# Altium PCB PMSM_Driver.PcbDoc (part 1 of 4)
Units mm, origin at the board's own origin, x right, y up, seen from the top; angles counter-clockwise.
Board outline 270 x 180 mm, 2 copper layers (Top Layer, Bottom Layer), stack 1.371 mm thick; 410 components, 145 nets, 890 pads, 484 vias.
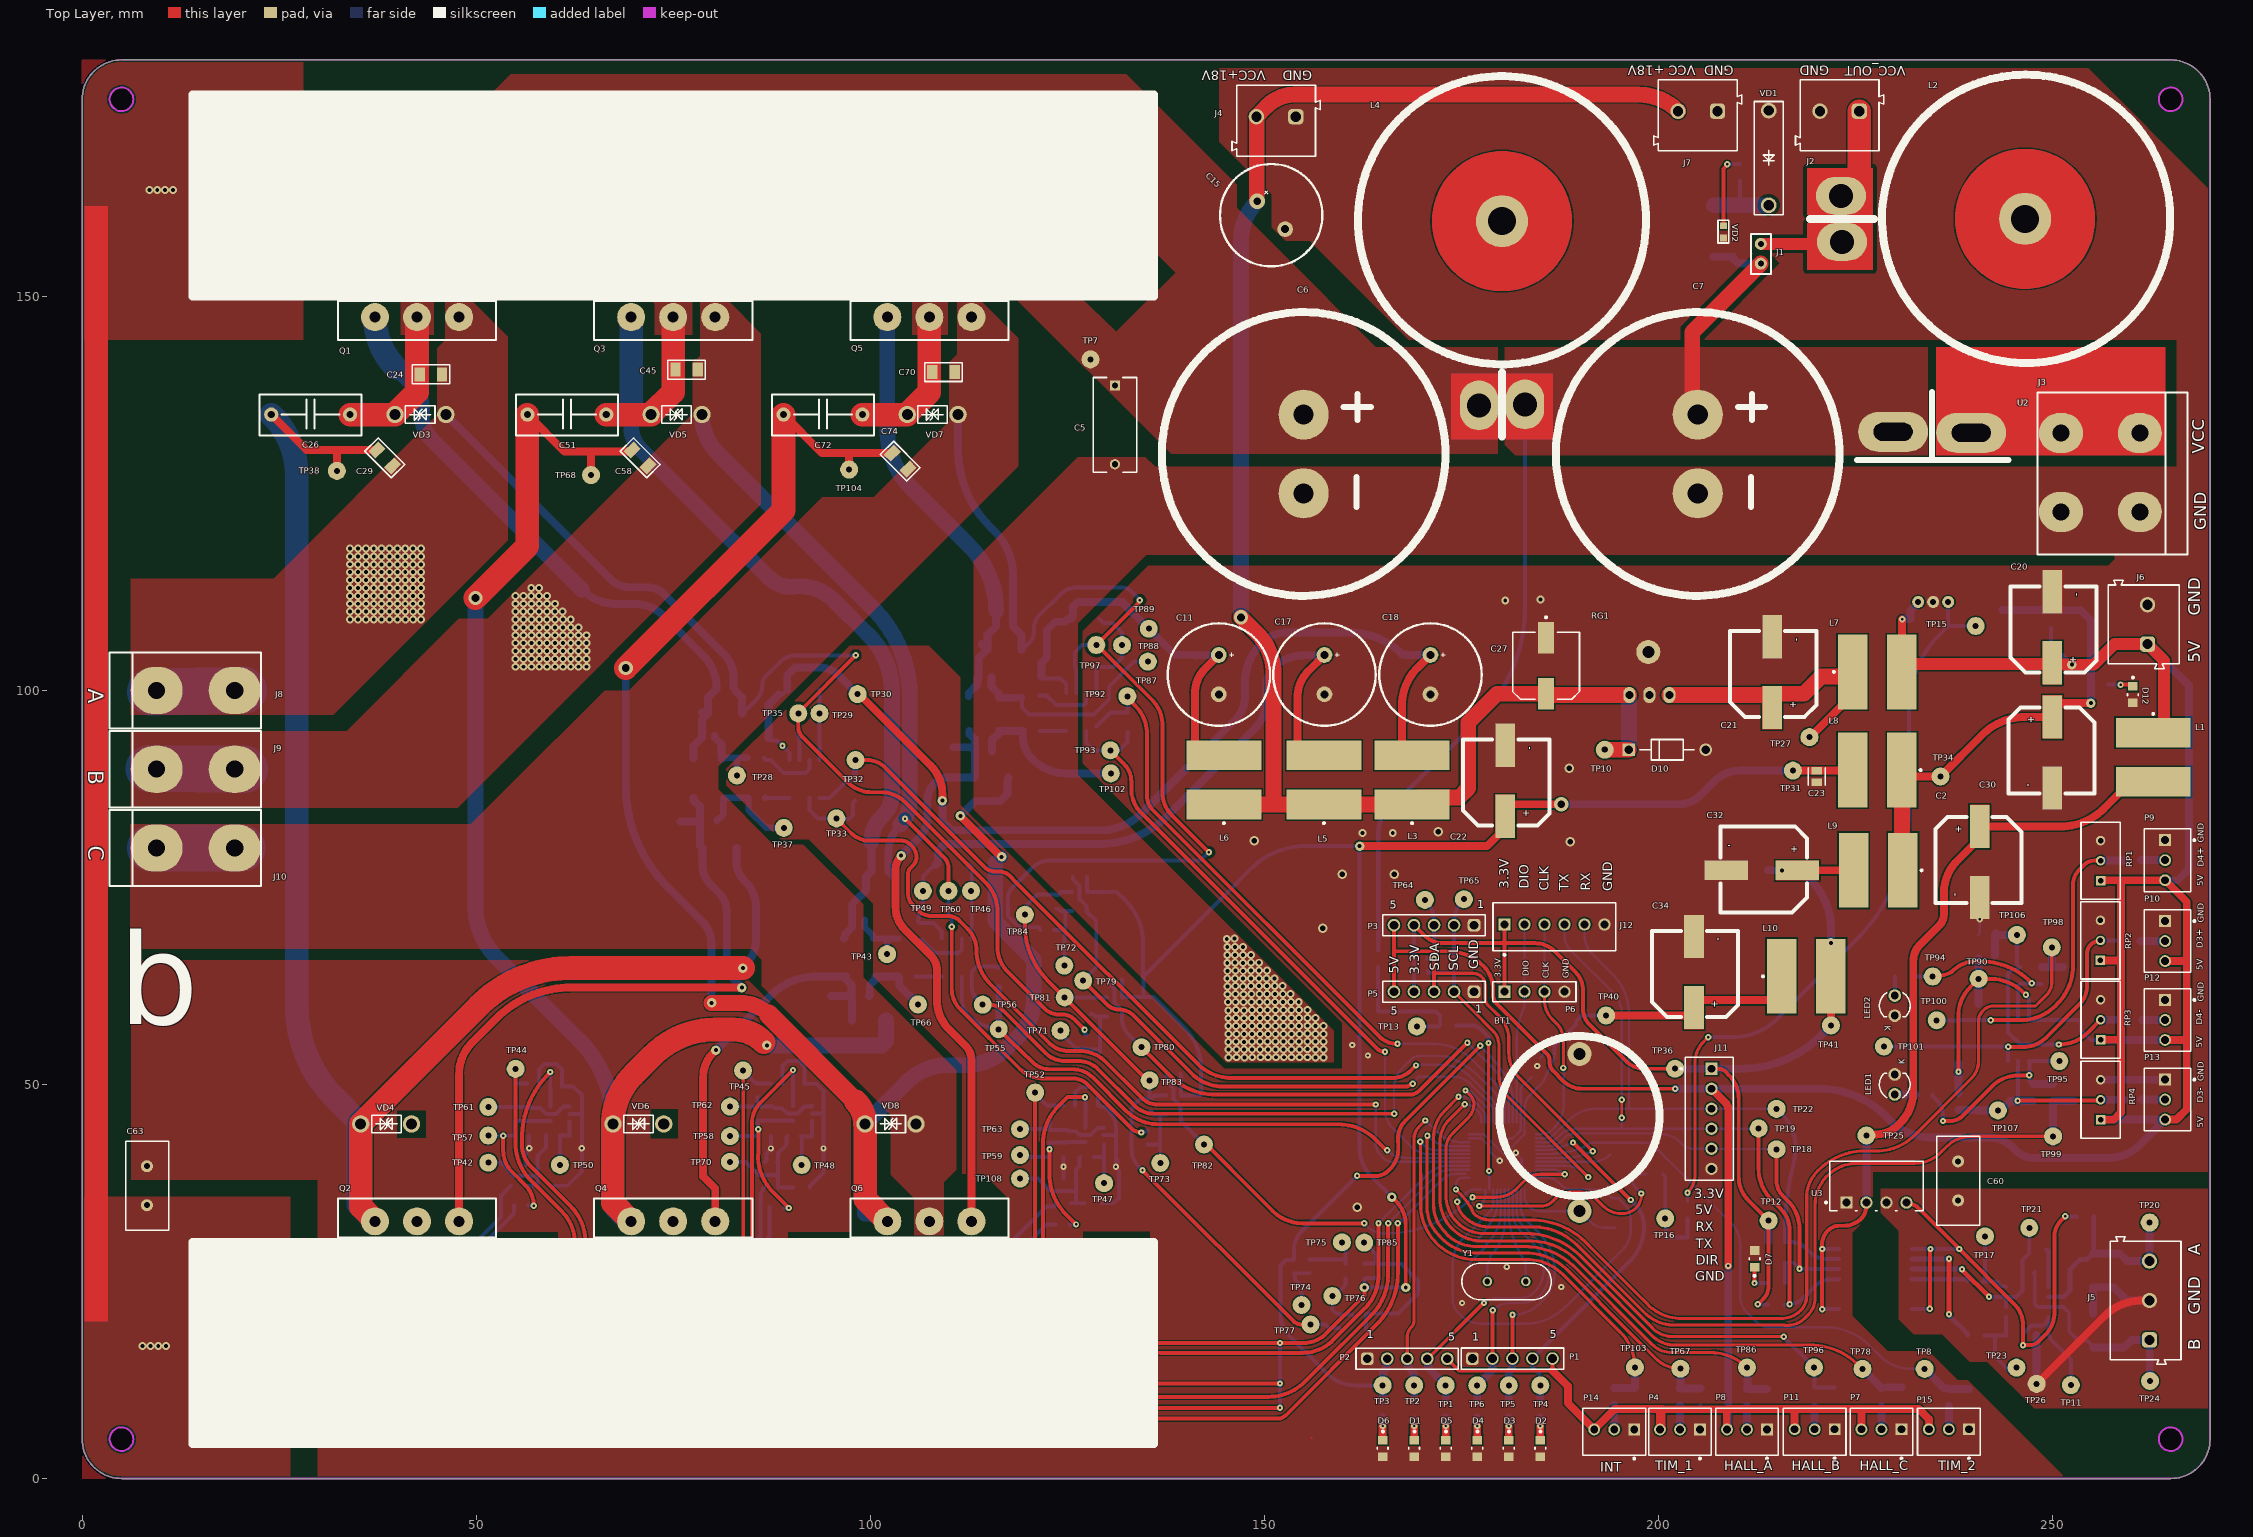
[diagram p0: Top Layer view]
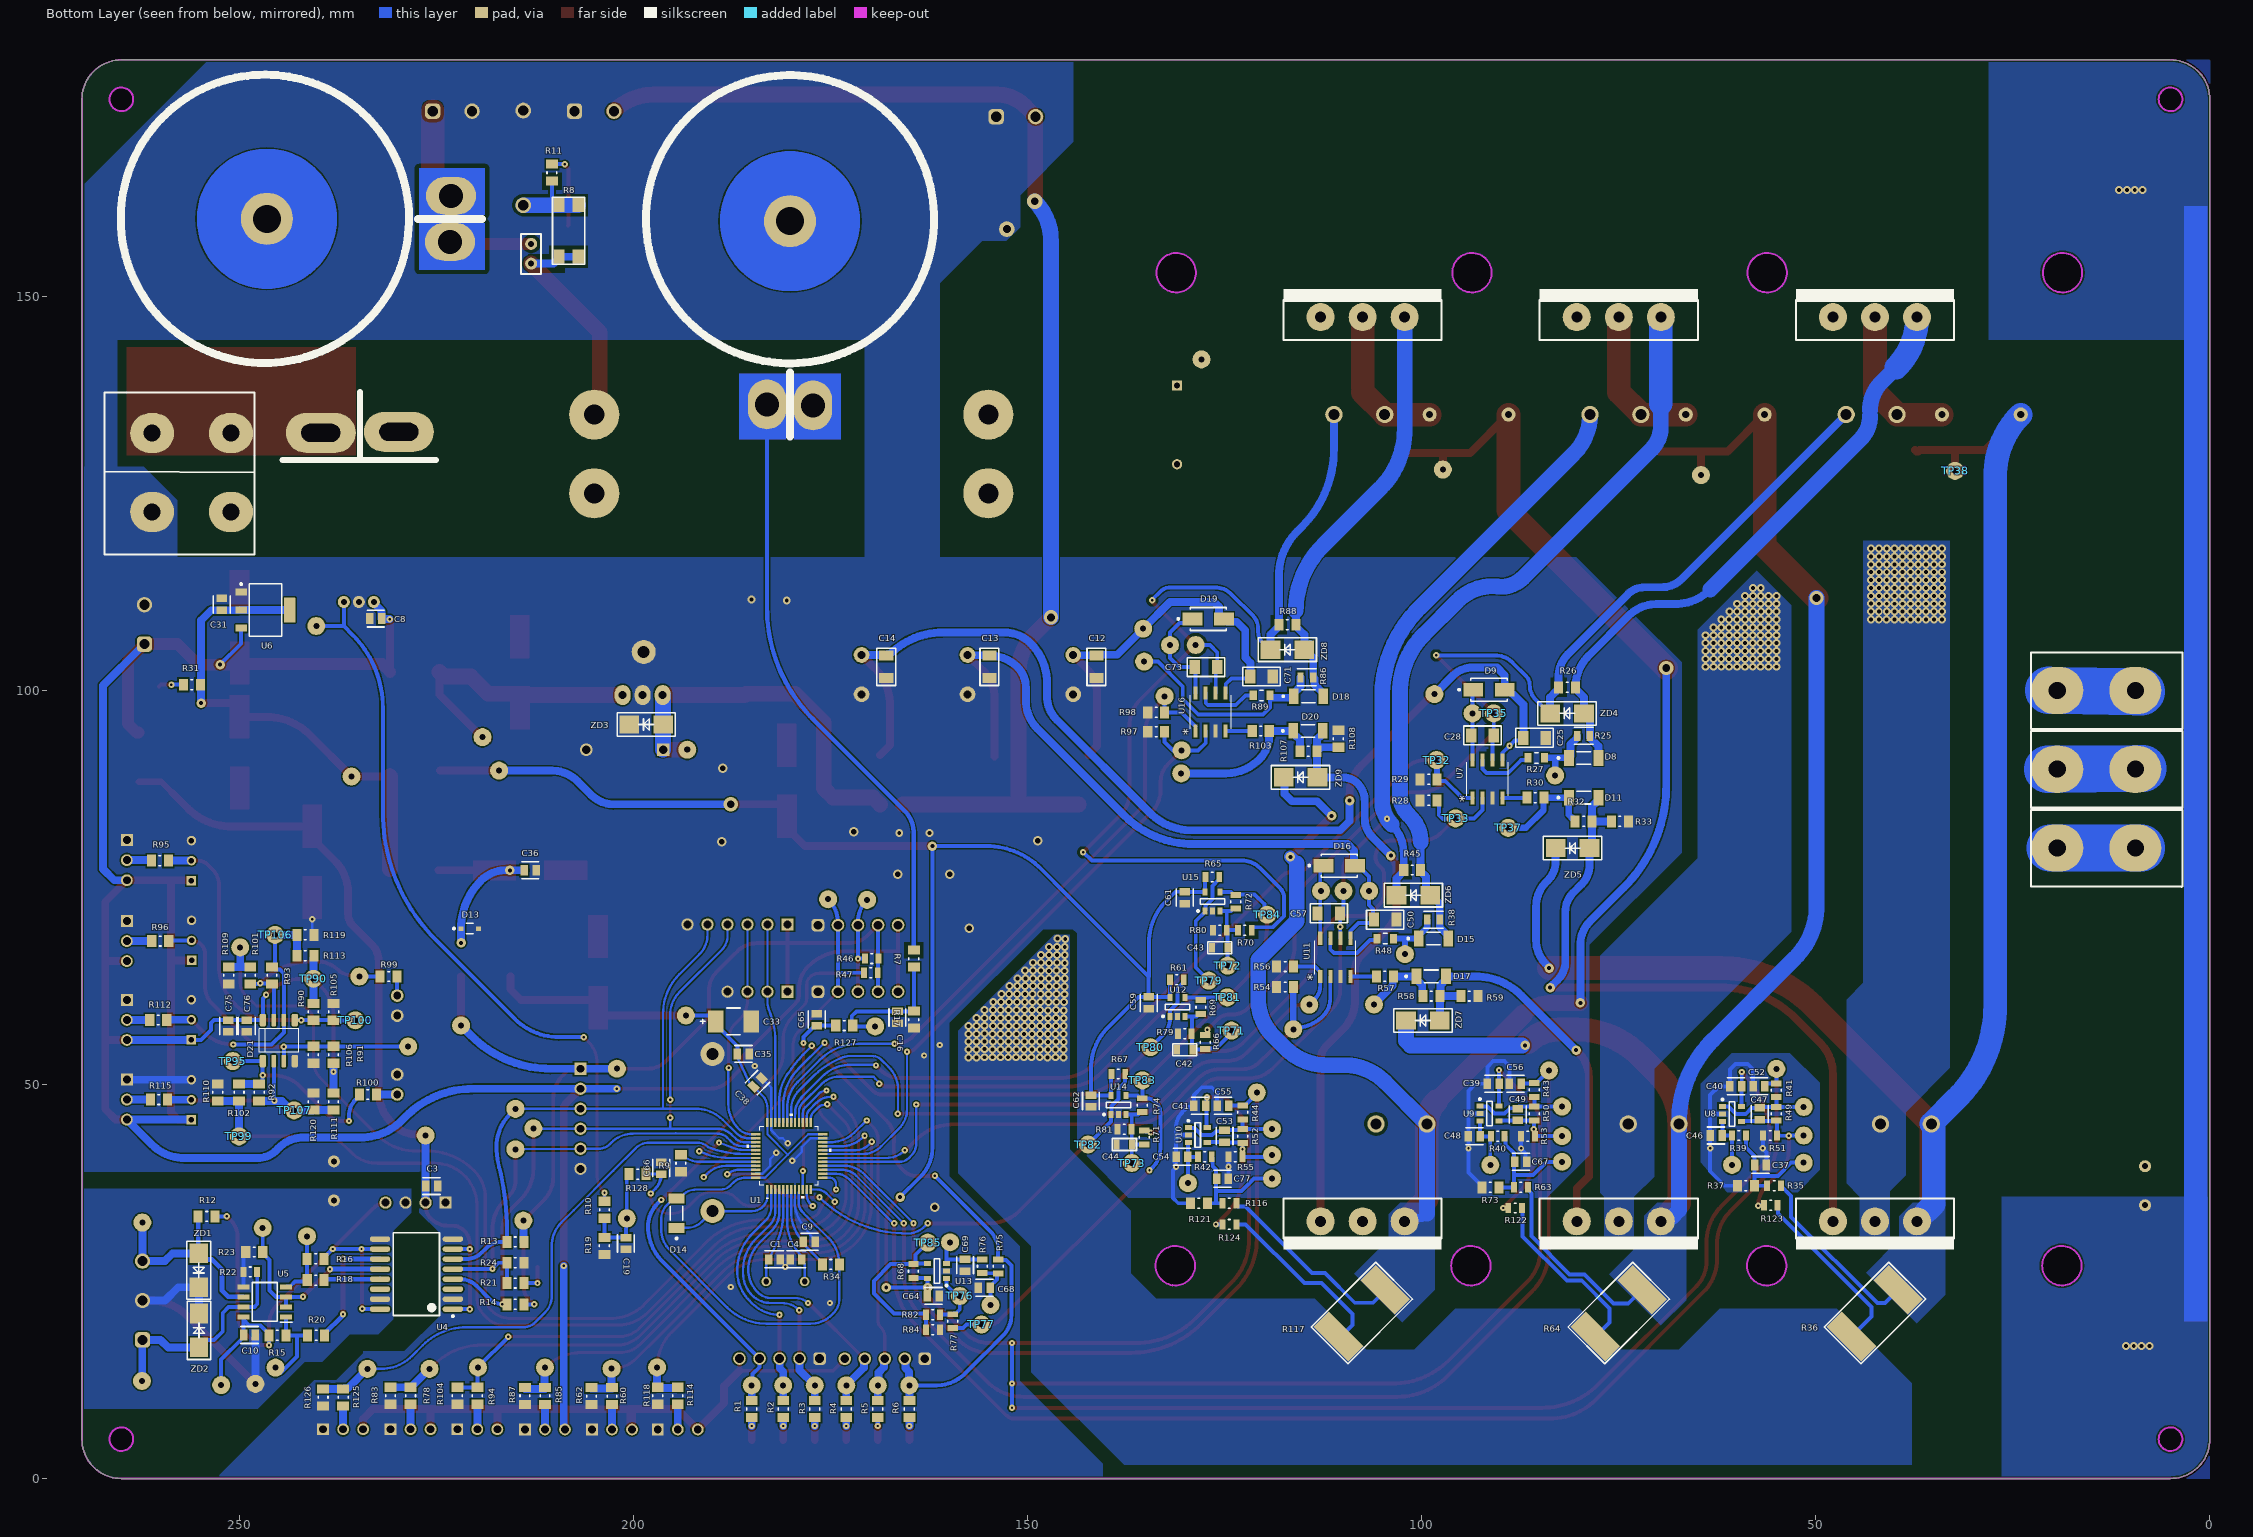
[diagram p1: Bottom Layer view, seen from below]
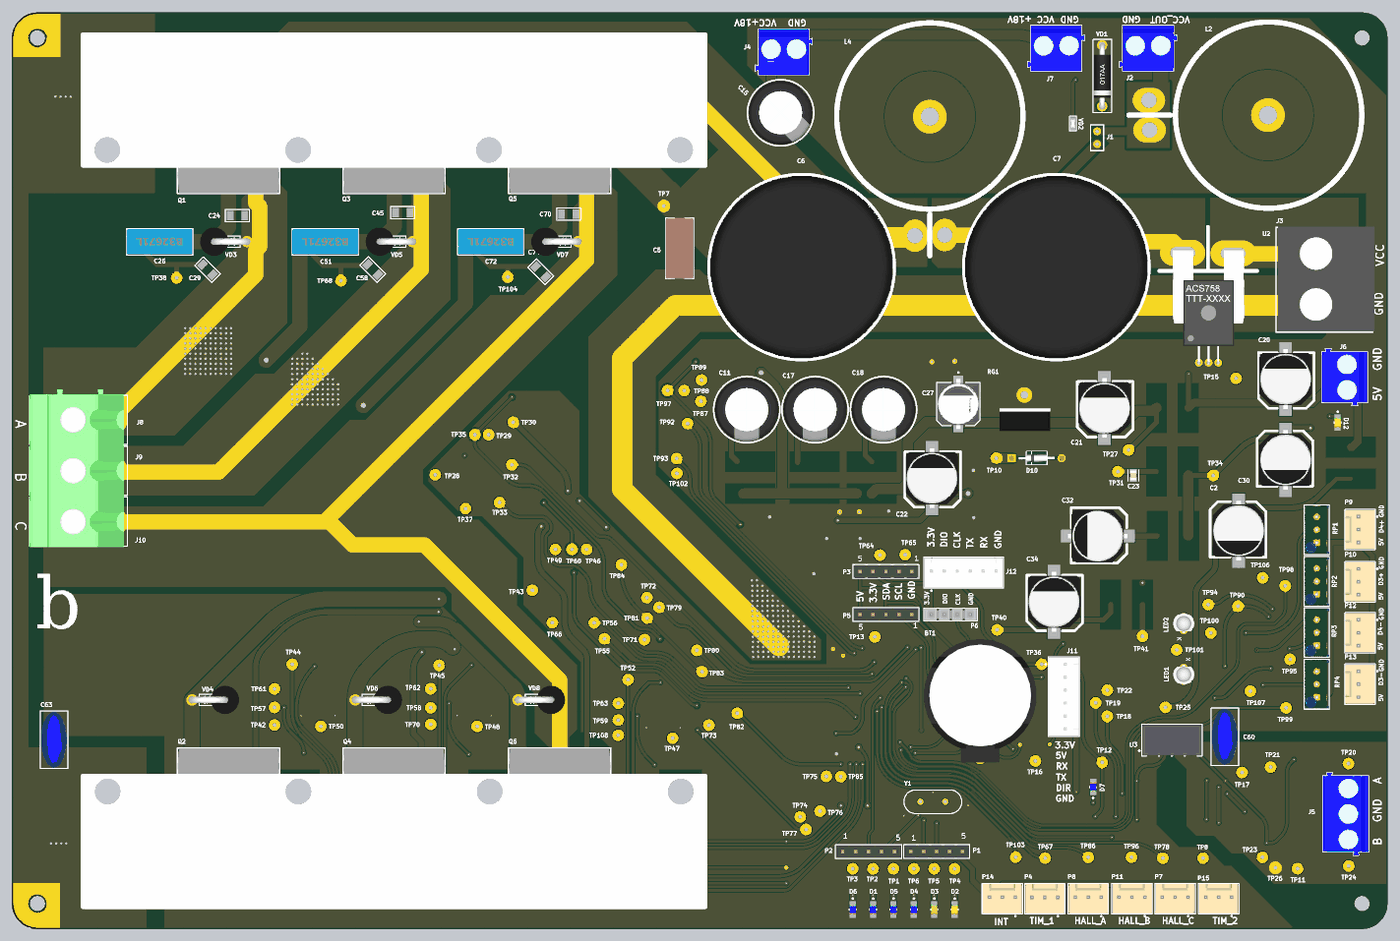
[diagram p5: 3D render of the assembled board from above, using the file's embedded part models]
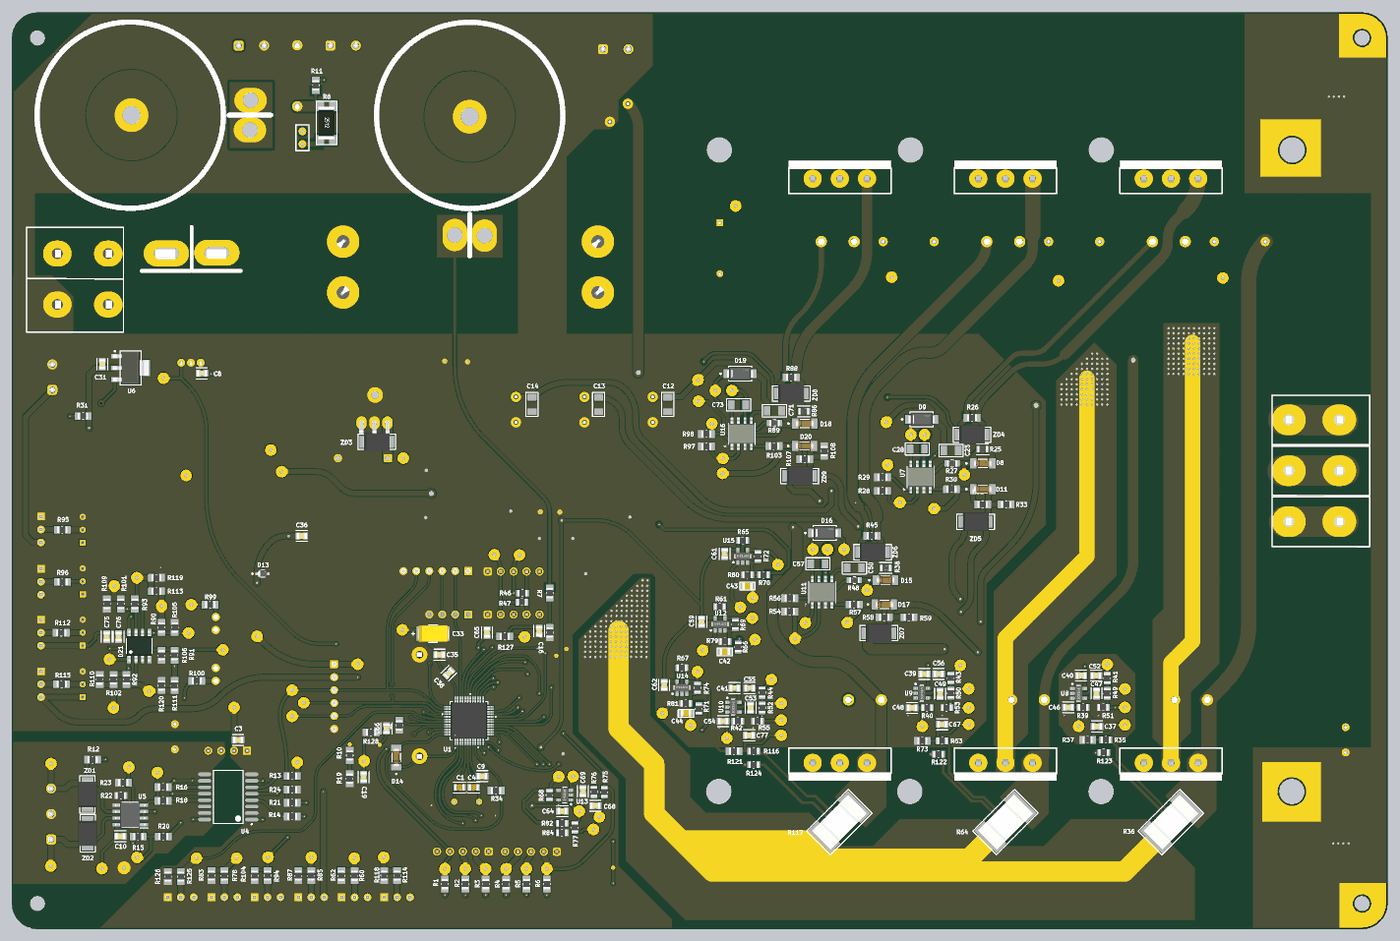
[diagram p6: 3D render of the assembled board from below, using the file's embedded part models]

## Layer stack, top to bottom
Top Solder: solder mask 0.0102, Solder Resist, Dk 3.5
Top Layer: signal copper 0.0356
Dielectric 1: dielectric 1.3, FR-4, Dk 4.8
Bottom Layer: signal copper 0.0356
Bottom Solder: solder mask 0.0102, Solder Resist, Dk 3.5

## Board outline
0,5 0,175 cw(c5,175) 5,180 265,180 cw(c265,175) 270,175 270,5 cw(c265,5) 265,0 5,0 cw(c5,5)
cut-out: 131.15,150.5 cw(c131.15,153) 128.65,153 cw(c131.15,153) 131.15,155.5 cw(c131.15,153) 133.65,153 cw(c131.15,153)
cut-out: 93.63,150.5 cw(c93.63,153) 91.13,153 cw(c93.63,153) 93.63,155.5 cw(c93.63,153) 96.13,153 cw(c93.63,153)
cut-out: 56.18,150.5 cw(c56.18,153) 53.68,153 cw(c56.18,153) 56.18,155.5 cw(c56.18,153) 58.68,153 cw(c56.18,153)
cut-out: 18.7,150.5 ccw(c18.7,153) 21.2,153 ccw(c18.7,153) 18.7,155.5 ccw(c18.7,153) 16.2,153 ccw(c18.7,153)
cut-out: 18.78,24.5 cw(c18.78,27) 16.28,27 cw(c18.78,27) 18.78,29.5 cw(c18.78,27) 21.28,27 cw(c18.78,27)
cut-out: 53.73,27 ccw(c56.23,27) 56.23,24.5 ccw(c56.23,27) 58.73,27 ccw(c56.23,27) 56.23,29.5 ccw(c56.23,27)
cut-out: 91.27,27 ccw(c93.77,27) 93.77,24.5 ccw(c93.77,27) 96.27,27 ccw(c93.77,27) 93.77,29.5 ccw(c93.77,27)
cut-out: 128.77,27 ccw(c131.27,27) 131.27,24.5 ccw(c131.27,27) 133.77,27 ccw(c131.27,27) 131.27,29.5 ccw(c131.27,27)
cut-out: 5,3.5 cw(c5,5) 3.5,5 cw(c5,5) 5,6.5 cw(c5,5) 6.5,5 cw(c5,5)
cut-out: 263.5,5 ccw(c265,5) 265,3.5 ccw(c265,5) 266.5,5 ccw(c265,5) 265,6.5 ccw(c265,5)
cut-out: 263.5,175 ccw(c265,175) 265,173.5 ccw(c265,175) 266.5,175 ccw(c265,175) 265,176.5 ccw(c265,175)
cut-out: 5,173.5 cw(c5,175) 3.5,175 cw(c5,175) 5,176.5 cw(c5,175) 6.5,175 cw(c5,175)

## Design rules (kind name [scope] priority, off if disabled: settings)
Clearance HV [InNetClass('All Nets') vs InNetClass('HV')] p1: gap=0.2 ignorepadtopadclearanceinfootprint=TRUE except(0: Text-Text Text-Hole; 0.4: THPad-THPad THPad-Via THPad-Fill THPad-Poly THPad-Region THPad-Text THPad-Hole Via-Via Via-Fill Via-Poly Via-Region Via-Text Via-Hole; 0.5: SMDPad-SMDPad SMDPad-THPad SMDPad-Via SMDPad-Fill SMDPad-Poly SMDPad-Region SMDPad-Text SMDPad-Hole Fill-Fill Fill-Poly Fill-Region Fill-Text Fill-Hole Poly-Poly Poly-Region Poly-Text Poly-Hole Region-Region Region-Text Region-Hole)
Clearance Clearance_1 [All] p2: gap=0.18 ignorepadtopadclearanceinfootprint=TRUE
Clearance GND [InNet('GND')] p3: gap=0.4 ignorepadtopadclearanceinfootprint=TRUE except(0.3: Text-Text Text-Hole)
ComponentClearance [All] p1: gap=-2.254 collisioncheckmode=3 verticalgap=0.254 showdistances=FALSE
DiffPairsRouting [All] p1: maxlimit=0.254 minlimit=0.1 mostfreqgap=0.254 toplayer_minwidth=0.3 toplayer_maxwidth=2 toplayer_prefwidth=0.3 bottomlayer_minwidth=0.3 bottomlayer_maxwidth=2 bottomlayer_prefwidth=0.3 maxuncoupledlength=12.7
Height [All] p1: minheight=0 maxheight=55.4 prefheight=12.7
HoleSize [All] p1: absolutevalues=TRUE maxlimit=5 minlimit=0.025 maxpercent=80.000 minpercent=20.000
HoleToHoleClearance [All] p1: gap=0 allowstackedmicrovias=TRUE
LayerPairs [All] p1 off: enforce=TRUE
MinimumSolderMaskSliver [All] p1: minsoldermaskwidth=0.01
PlaneClearance [All] p1: clearance=0.4
PlaneConnect [All] p1: planeconnectstyle=Direct reliefexpansion=0.508 reliefentries=4 reliefconductorwidth=0.254 reliefairgap=0.254
PolygonConnect [All] p1: connectstyle=Direct reliefconductorwidth=0.254 reliefentries=4 polygonreliefangle="90 Angle" airgapwidth=0.254
RoutingCorners [All] p1: cornerstyle=45-Degree minsetback=0.2 maxsetback=0.2
RoutingVias [All] p1: holewidth=0.4 width=0.8 viastyle="Through Hole" minholewidth=0.254 minwidth=0.5 maxholewidth=0.75 maxwidth=1.5
ShortCircuit [All] p1: allowed=TRUE
SilkToSilkClearance [All] p1 off: silktosilkclearance=0.01
SilkToSolderMaskClearance [All] p1: minsilkscreentomaskgap=0 clearancetoexposedcopper=FALSE
SolderMaskExpansion [All] p1: expansion=0 istentingtop=FALSE
UnRoutedNet [All] p1: checkbadconnections=TRUE
Width [All] p1: maxlimit=10 minlimit=0.254 preferedwidth=2
16 further rules are at their usual default settings.

## Classes and differential pairs
net class HV: NetC24_1 NetC45_1 NetC70_1 NetJ1_1 NetJ2_1 NetJ3_2 NetR8_1 V_BAT V_PS

## Components (designator, comment, footprint, x,y, rotation, side; value= is the part's Value field where it differs from the comment)
BT1 "CR2032_BAT" CR2032_BAT 190,46 r270 top locked
C1 "16pF" FP-GRM21B-0_1-IPC_C 182.15,27.8 r180 bottom
C2 "1000uF_10V" 1000uF_10V_Size_F 240.775,78.225 r90 top
C3 "C0805C224K5RACTU" FP-C0805C-DN-MFG 225.625,37.11 r180 bottom value="0.22 μF"
C4 "16pF" FP-GRM21B-0_1-IPC_C 179.375,27.8 r0 bottom
C5 "ECQ-E2224JFW" FP-ECQ-E2224JFW-MFG 131.05,133.7 r270 top
C6 "CAP-POLAR" 4700uF_100V 155,130 r270 top locked
C7 "CAP-POLAR" 4700uF_100V 205,130 r270 top locked
C8 "C0805C224K5RACTU" FP-C0805C-DN-MFG 232.73,109.121 r0 bottom value="0.22 μF"
C9 "0.22 UF" FP-C0805C-DN-MFG 177.71,30.025 r180 bottom value="0.22 μF"
C10 "C0805C224K5RACTU" FP-C0805C-DN-MFG 248.75,18.21 r180 bottom value="0.22 μF"
C11 "25V 2200uF" CAPPOL-12x25 144.232,102 r270 top locked
C12 "1000pF" CAP-1206 141.275,103 r90 bottom
C13 "1000pF" CAP-1206 154.85,103 r90 bottom
C14 "1000pF" CAP-1206 167.95,103 r90 bottom
C15 "25V 2200uF" CAPPOL-12x25 150.875,160.3 r315 top
C16 "2.2uF" FP-C0805C-DN-MFG 166.525,58.514 r90 bottom value="0.22 μF"
C17 "25V 2200uF" CAPPOL-12x25 157.632,102 r270 top locked
C18 "25V 2200uF" CAPPOL-12x25 171.082,102 r270 top locked
C19 "2.2uF" FP-C0805C-DN-MFG 200.975,29.825 r90 bottom value="0.22 μF"
C20 "1000uF_10V" 1000uF_10V_Size_F 250,108 r270 top locked
C21 "1000uF_10V" 1000uF_10V_Size_F 214.45,102.325 r270 top
C22 "1000uF_10V" 1000uF_10V_Size_F 180.575,88.55 r270 top
C23 "C0805C224K5RACTU" FP-C0805C-DN-MFG 220.1,89.075 r270 top value="0.22 μF"
C24 "1000pF" CAP-1206 44.25,140.1 r180 top
C25 "CAP-NON-POLAR" CAP-1206 85.689,93.98 r0 bottom
C26 "CAP-NON-POLAR" "MKP 100nF 275VAC" 29,135 r180 top
C27 "EEE-1HA101UP" FP-SF-MFG 185.75,103.125 r270 top value=100uF
C28 "CAP-NON-POLAR" CAP-1206 92.294,94.288 r0 bottom
C29 "1000pF" CAP-1206 38.4,129.5 r315 top
C30 "1000uF_10V" 1000uF_10V_Size_F 250,92.125 r90 top
C31 "C0805C224K5RACTU" FP-C0805C-DN-MFG 252.275,110.925 r90 bottom value="0.22 μF"
C32 "1000uF_10V" 1000uF_10V_Size_F 213.125,77.175 r0 top
C33 "TAJC476M016RNJ" FP-TAJC-MFG 187.325,58 r0 bottom
C34 "1000uF_10V" 1000uF_10V_Size_F 204.525,64.275 r270 top
C35 "C0805C224K5RACTU" FP-C0805C-DN-MFG 186.075,53.874 r180 bottom value="0.22 μF"
C36 "C0805C224K5RACTU" FP-C0805C-DN-MFG 213.125,77.175 r180 bottom value="0.22 μF"
C37 "C0805C224K5RACTU" FP-C0805C-DN-MFG 57.028,39.785 r180 bottom value="0.22 μF"
C38 "C0805C224K5RACTU" FP-C0805C-DN-MFG 184.268,50.261 r135 bottom value="0.22 μF"
C39 "C0805C224K5RACTU" FP-C0805C-DN-MFG 90.923,50.089 r0 bottom value="0.22 μF"
C40 "C0805C224K5RACTU" FP-C0805C-DN-MFG 60.151,49.769 r0 bottom value="0.22 μF"
C41 "C0805C224K5RACTU" FP-C0805C-DN-MFG 128.172,47.321 r0 bottom value="0.22 μF"
C42 "CAP-NON-POLAR" CAP-0805 130.075,54.425 r180 bottom
C43 "CAP-NON-POLAR" CAP-0805 125.622,67.351 r180 bottom
C44 "CAP-NON-POLAR" CAP-0805 137.723,42.38 r180 bottom
C45 "1000pF" CAP-1206 76.7,140.7 r180 top
C46 "C0805C224K5RACTU" FP-C0805C-DN-MFG 62.651,43.525 r0 bottom value="0.22 μF"
C47 "0.22uF" FP-C0805C-DN-MFG 57.107,46.275 r90 bottom value="0.22 μF"
C48 "C0805C224K5RACTU" FP-C0805C-DN-MFG 93.323,43.44 r0 bottom value="0.22 μF"
C49 "0.22uF" FP-C0805C-DN-MFG 87.823,46.191 r90 bottom value="0.22 μF"
C50 "CAP-NON-POLAR" CAP-1206 104.641,70.915 r0 bottom
C51 "CAP-NON-POLAR" "MKP 100nF 275VAC" 61.5,135 r180 top locked
C52 "C0805C224K5RACTU" FP-C0805C-DN-MFG 57.206,49.769 r0 bottom value="0.22 μF"
C53 "0.22uF" FP-C0805C-DN-MFG 125.022,43.445 r90 bottom value="0.22 μF"
C54 "C0805C224K5RACTU" FP-C0805C-DN-MFG 130.422,40.821 r0 bottom value="0.22 μF"
C55 "C0805C224K5RACTU" FP-C0805C-DN-MFG 125.222,47.321 r0 bottom value="0.22 μF"
C56 "C0805C224K5RACTU" FP-C0805C-DN-MFG 88.123,50.089 r0 bottom value="0.22 μF"
C57 "CAP-NON-POLAR" CAP-1206 111.796,71.712 r0 bottom
C58 "1000pF" CAP-1206 70.8,129.5 r315 top
C59 "C0805C224K5RACTU" FP-C0805C-DN-MFG 134.65,60.35 r270 bottom value="0.22 μF"
C60 "CAP-V" CAP-V 238.031,37.76 r270 top
C61 "C0805C224K5RACTU" FP-C0805C-DN-MFG 130.097,73.7 r270 bottom value="0.22 μF"
C62 "C0805C224K5RACTU" FP-C0805C-DN-MFG 141.975,47.9 r270 bottom value="0.22 μF"
C63 "CAP-V" CAP-V 8.225,37.15 r270 top
C64 "C0805C224K5RACTU" FP-C0805C-DN-MFG 161.975,23.163 r180 bottom value="0.22 μF"
C65 "10nF" FP-C0805C-DN-MFG 176.75,58.229 r270 bottom value="0.22 μF"
C66 "10nF" FP-C0805C-DN-MFG 196.5,39.379 r270 bottom value="0.22 μF"
C67 "C0805C224K5RACTU" FP-C0805C-DN-MFG 87.424,40.189 r180 bottom value="0.22 μF"
C68 "C0805C224K5RACTU" FP-C0805C-DN-MFG 155.5,24.213 r0 bottom value="0.22 μF"
C69 "2.2uF" FP-C0805C-DN-MFG 157.95,27.063 r270 bottom value="0.22 μF"
C70 "1000pF" CAP-1206 109.3,140.4 r180 top
C71 "CAP-NON-POLAR" CAP-1206 120.329,101.765 r0 bottom
C72 "CAP-NON-POLAR" "MKP 100nF 275VAC" 94,135 r180 top locked
C73 "CAP-NON-POLAR" CAP-1206 127.377,102.965 r0 bottom
C74 "1000pF" CAP-1206 103.8,129.1 r315 top
C75 "C0805C224K5RACTU" FP-C0805C-DN-MFG 251.42,57.426 r270 bottom value="0.22 μF"
C76 "C0805C224K5RACTU" FP-C0805C-DN-MFG 249.071,57.412 r270 bottom value="0.22 μF"
C77 "C0805C224K5RACTU" FP-C0805C-DN-MFG 125.281,38.05 r180 bottom value="0.22 μF"
D1 "151031YS06000" LED_BLUE 169.021,3.821 r270 top
D2 "151031YS06000" LED_Yellow 185.021,3.821 r270 top
D3 "151031YS06000" LED_GREEN 181.021,3.821 r270 top
D4 "151031YS06000" LED_BLUE 177.021,3.821 r270 top
D5 "151031YS06000" LED_BLUE 173.021,3.821 r270 top
D6 "151031YS06000" LED_BLUE 165.021,3.821 r270 top
D7 "151031YS06000" LED_BLUE 212.225,27.875 r90 top
D8 "LL4448-GS08" FP-6_560-5005_01-4-MFG 79.464,91.437 r180 bottom value=4pF
D9 "US1G-13-F" FP-SMA-MFG 91.464,100.088 r180 bottom value=20pF
D10 "BZX85C15-TAP" FP-6_561-5001_02-4-MFG 201.125,92.475 r0 top
D11 "LL4448-GS08" FP-6_560-5005_01-4-MFG 79.464,86.388 r180 bottom value=4pF
D12 "151031YS06000" LED_Yellow 260.2,99.468 r270 top
D13 "BZX384-C5V1,115" FP-SOD323-MFG 220.8,69.775 r180 bottom
D14 "LL4448-GS08" FP-6_560-5005_01-4-MFG 194.556,33.672 r90 bottom locked value=4pF